# KiCad board Panel3-copy.kicad_pcb (continued)
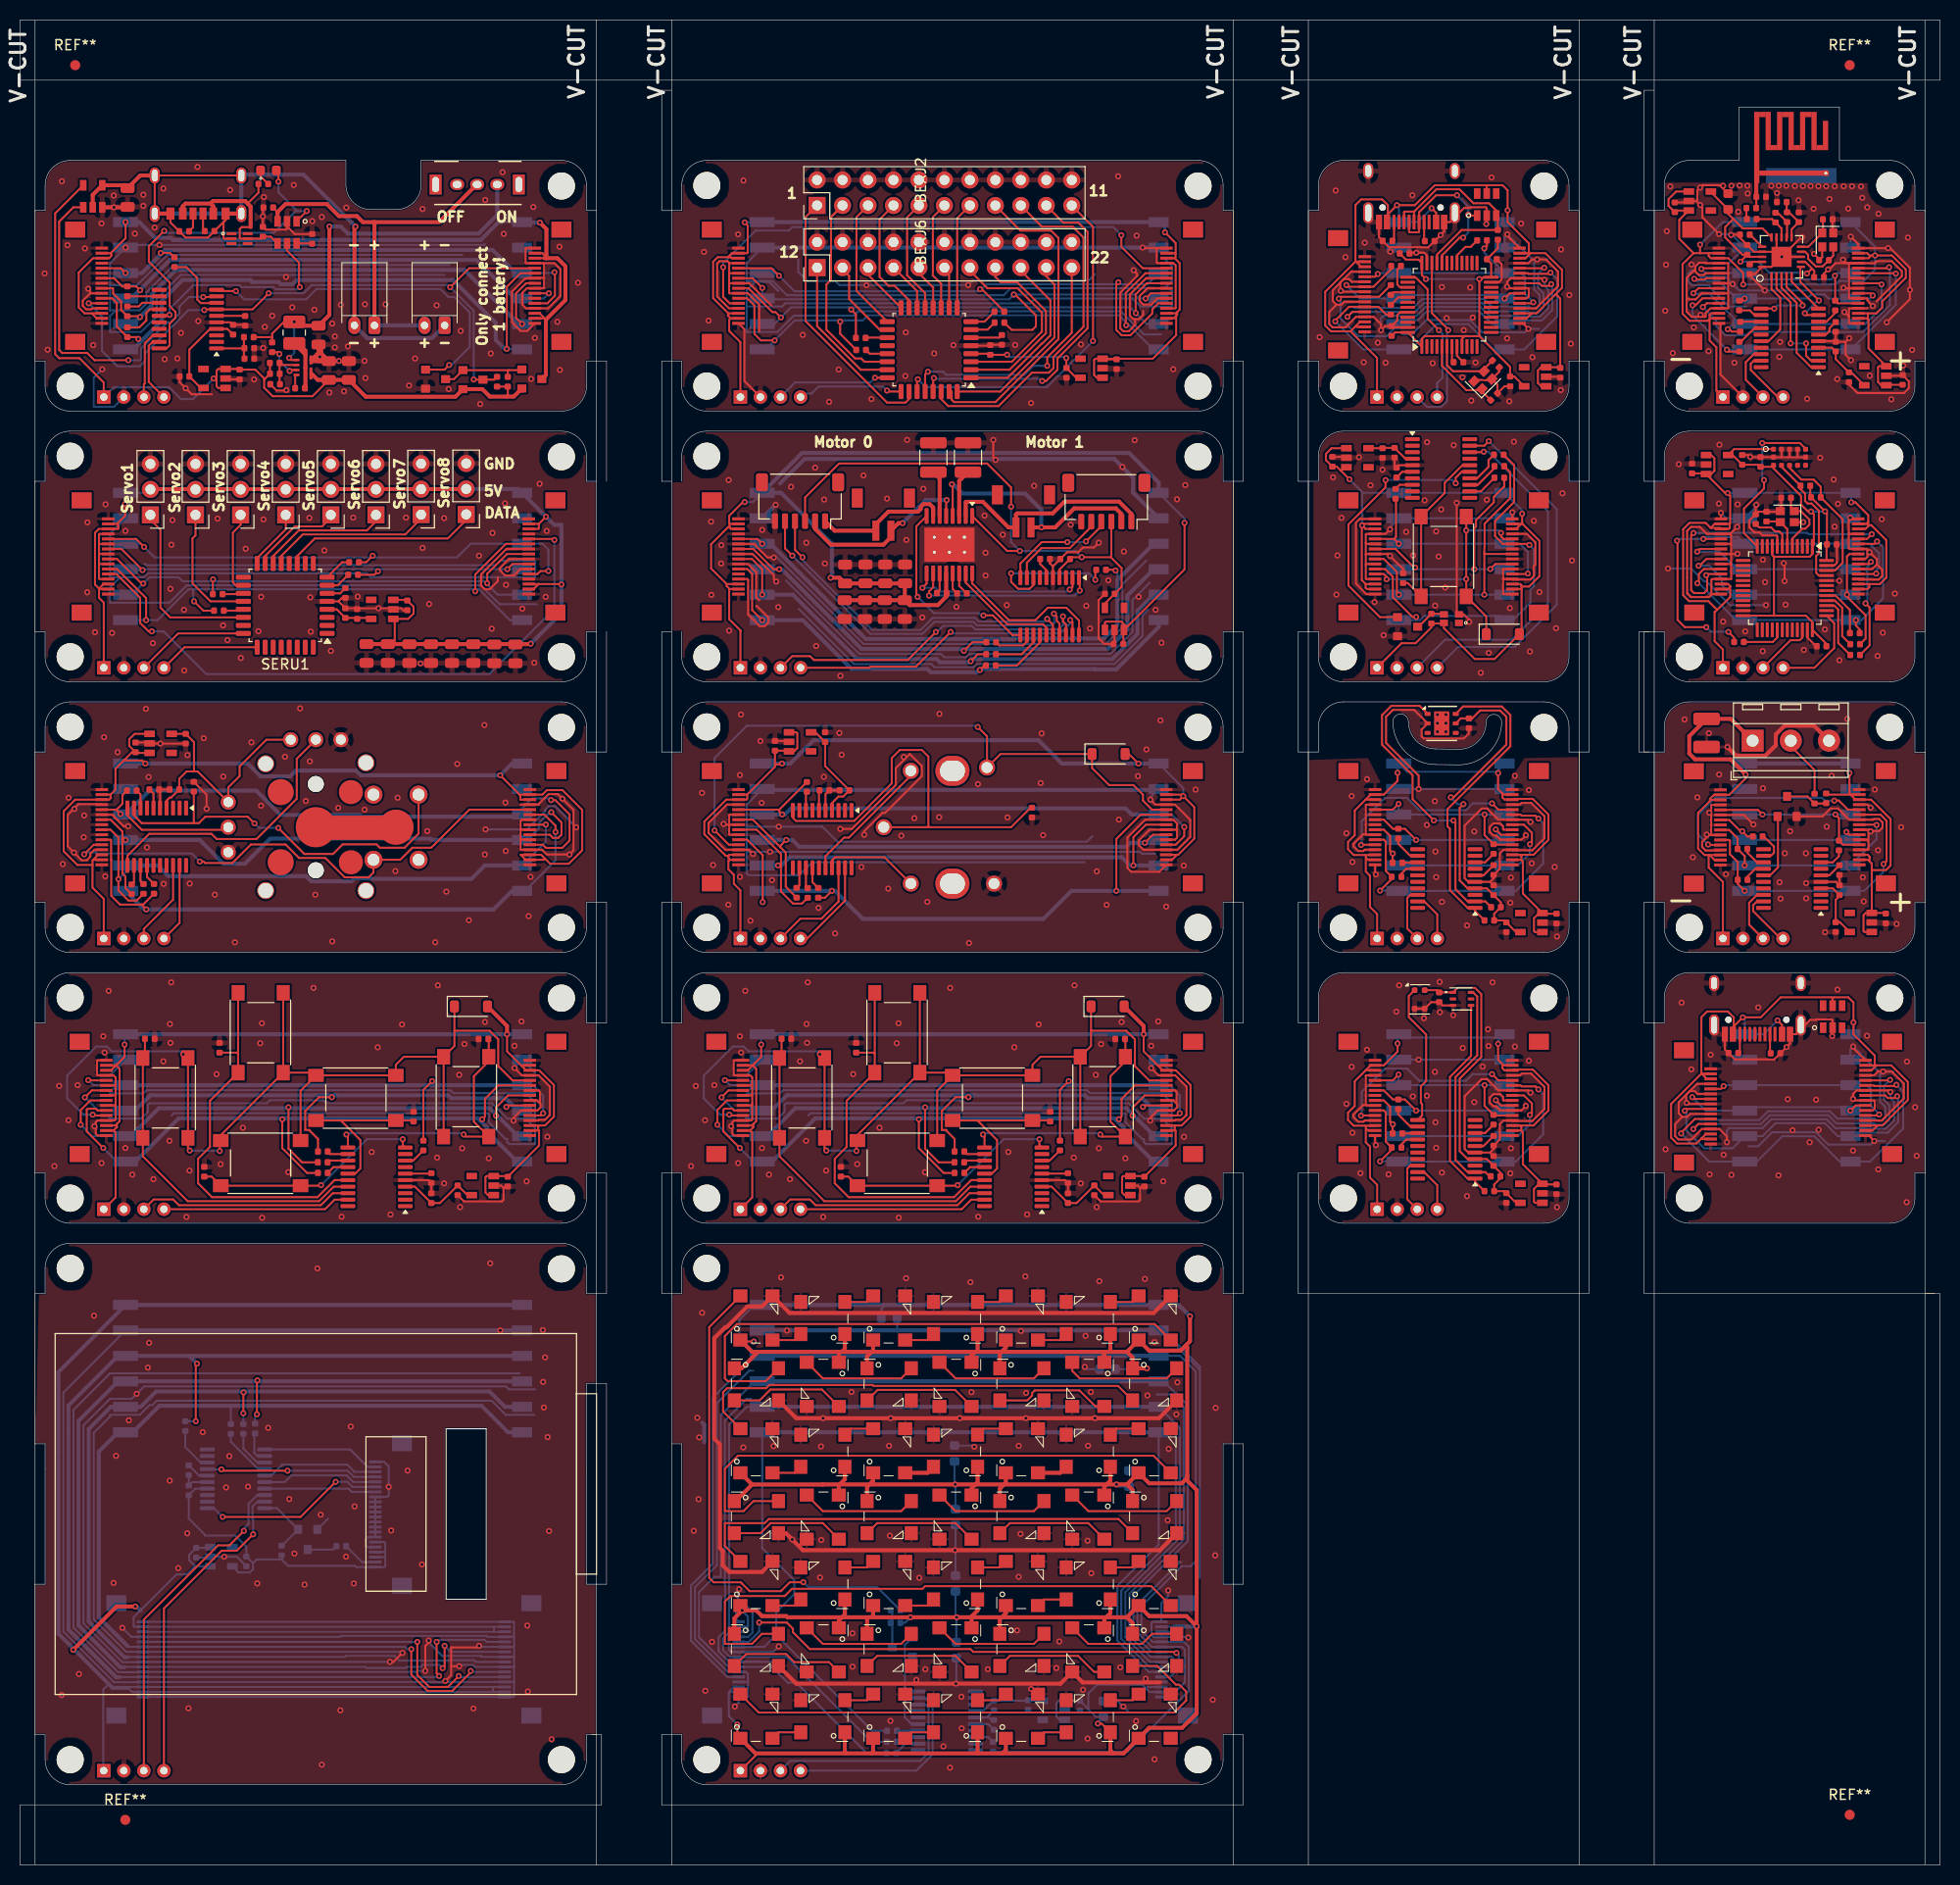
[diagram p0: board, top side]
## Routing (per net, layer and track width the routed paths; a pad name or vN(x,y) marks a point on that pad's centre or on a via; arc(x,y) is an arc through that point) (continued)
LIG_MOSI: length 31.6
  Top w0.2: v1(151.45,77.35) 151.15,77.65 149.77,77.65 149.67,77.75 LIGJ3.11 ; LIGJ5.11 136.03,75.25 136.22,75.06 136.22,72.14 LIGR2.2 136.81,71.34 v1(135.65,70.17)
  Bottom w0.2: v1(151.45,77.35) 151.93,76.88 151.93,72.88 149.2,70.15 LIGJ2.1 LIGJ1.6 137.5,70.17 v1(135.65,70.17)
LIG_Net-(U3-NRST): length 2.3
  Top w0.2: LIGU3.6 145.97,71.7 LIGC1.1
LIG_Net-(U3-PA1): length 2.2
  Top w0.2: LIGR1.1 146.13,73 LIGU3.8
LIG_Net-(U3-PA5): length 3
  Top w0.2: LIGR3.1 137.47,74.84 138.67,73.65 LIGU3.12
LIG_Net-(U3-PA6): length 1.5
  Top w0.2: LIGU3.13 139.35,72.95 LIGR4.1
LIG_Net-(U3-PA7): length 2.1
  Top w0.2: LIGU3.14 138.27,72.35 137.78,71.87 137.78,71.55
LIG_PS: length 19.4
  Top w0.2: v1(146.07,77.77) 146.07,75.71 LIGR1.2 147.03,74.75 LIGJ3.5 ; LIGJ5.5 136.93,78.25 v1(137.5,78.83)
  Bottom w0.2: LIGJ2.4 v1(146.07,77.77) LIGJ1.3 137.5,77.8 v1(137.5,78.83)
LIG_SCL: length 21.3
  Top w0.2: LIGU1.4 144.72,80.69 142.62,78.58 142.62,70.22 144.39,68.45 LIGU3.1 145.13,68.14 LIGR5.1
LIG_SCLK: length 18.8
  Top w0.2: v1(139.25,75.23) 138.13,76.34 LIGR3.2 136.94,76.34 136.03,77.25 LIGJ5.7 ; v1(147.2,76.28) 147.72,75.75 LIGJ3.7
  Bottom w0.2: v1(147.2,76.28) 147.2,76.11 LIGJ2.3 v1(139.25,75.23) LIGJ1.4
LIG_SDA: length 22.3
  Top w0.2: LIGU1.6 144.93,87.03 145.35,86.61 145.35,80.75 143.18,78.58 143.18,70.32 144.39,69.1 LIGU3.2 146.16,69.1 146.73,68.53
LIG_SWDCLK: length 4.9
  Top w0.2: LIGU3.19 140.06,69.1 141.36,67.8 LIGJ4.4
LIG_SWDIO: length 5.6
  Top w0.2: LIGJ4.3 138.37,66.39 138.37,69.45 138.67,69.75 LIGU3.18
LIG_VDD: length 32.9
  Top w0.2: LIGU4.4 141.32,87.25 LIGC3.1 141.56,87.03 LIGU1.1 143.38,87.47 145.13,87.47 145.75,86.86 145.75,80.58 143.6,78.42 143.6,71.19 144.39,70.4 LIGU3.4 146.31,70.4 LIGC2.1 147.7,69.01 147.7,68.53 147.03,67.86 LIGR5.2 148.06,67.2 LIGC9.1 149.22,66.03 LIGU2.5
MAT_5V: length 406.8
  Top w0.2: MATD48.1 107.88,14.1 v1(107.5,14.1) ; MATJ3.1 73.36,10.91 73.36,11.12 ; MATD43.1 71.55,12.93 v1(71.55,14) ; MATD1.1 72,52.2 v1(73.19,52.2)
  Top w0.4: 108.74,51.18 108.75,51.19 MATD6.1 ; 108.74,51.18 110.4,51.18 ; 108.74,51.18 107.9,51.18 ; 110.4,24.7 110.97,24.13 MATD42.1 ; 110.4,24.7 MATD35.1 112.62,24.82 116.34,24.82 v1(117.36,23.8) ; 110.4,24.7 108.35,24.7 ; 94.82,24.7 97.92,24.7 ; 94.82,24.7 94.91,24.61 MATD39.1 ; 94.82,24.7 v1(93.43,24.7) v1(88.81,24.7) 84.91,24.7 ; 94.82,24.7 95.51,25.39 MATD32.1 ; 97.92,24.7 98.33,25.11 MATD33.1 ; 97.92,24.7 108.35,24.7 ; 97.92,24.7 97.73,24.51 MATD40.1 ; 116.25,51.79 115.76,51.3 112.62,51.3 MATD7.1 110.4,51.18 ; 116.25,51.79 116.7,52.24 v1(116.7,54.72) ; 116.25,51.79 116.42,51.62 116.42,38.86 ; 82.41,11.12 82.27,11.26 MATD44.1 ; 82.41,11.12 73.36,11.12 MATD43.1 ; 82.41,11.12 84.94,11.12 ; 81.82,51.18 81.98,51.18 ; 81.82,51.18 81.67,51.03 MATD9.1 ; 81.82,51.18 73.61,51.18 ; 81.98,51.18 84.94,51.18 ; 81.98,51.18 82.27,51.47 MATD2.1 ; 110.41,37.95 MATD21.1 112.62,38.06 115.87,38.06 116.42,38.61 116.42,38.86 ; 110.41,37.95 v1(109.37,37.95) 108.38,37.95 ; 110.41,37.95 110.97,37.39 MATD28.1 ; 95.3,37.95 v1(93.28,37.95) 84.73,37.95 ; 95.3,37.95 98.15,37.95 ; 95.3,37.95 95.51,38.16 MATD18.1 ; 95.3,37.95 94.91,37.56 MATD25.1 ; MATD31.1 85.09,24.88 84.91,24.7 ; 108.35,24.7 108.15,24.5 MATD41.1 ; 108.35,24.7 108.75,25.1 MATD34.1 ; 108.38,37.95 108.15,37.72 MATD27.1 ; 108.38,37.95 108.75,38.32 MATD20.1 ; 108.38,37.95 98.15,37.95 ; MATD8.1 71.96,49.53 73.61,51.18 ; 84.91,24.7 84.63,24.7 ; MATD30.1 82.27,24.98 81.99,24.7 ; MATD19.1 98.33,38.13 98.15,37.95 ; 98.15,37.95 97.73,37.53 MATD26.1 ; 81.75,37.95 82.27,38.47 MATD16.1 ; 81.75,37.95 84.73,37.95 ; 81.75,37.95 81.67,37.87 MATD23.1 ; 81.75,37.95 80.09,37.95 80.08,37.94 73.02,37.94 ; 110.4,51.18 110.97,50.61 MATD14.1 112.39,49.53 v1(112.4,49.53) ; 73.02,37.94 MATD15.1 ; 73.02,37.94 71.37,36.29 MATD22.1 ; 95.41,51.18 97.89,51.18 ; 95.41,51.18 95.27,51.18 ; 95.41,51.18 95.51,51.28 MATD4.1 ; 97.89,51.18 107.9,51.18 ; 97.89,51.18 98.33,51.62 MATD5.1 ; 97.89,51.18 97.73,51.02 MATD12.1 ; MATD11.1 94.91,50.82 95.27,51.18 ; 84.94,51.18 85.09,51.33 MATD3.1 ; 84.94,51.18 84.49,50.73 MATD10.1 ; 84.94,51.18 95.27,51.18 ; 73.61,51.18 73.02,51.18 MATD1.1 ; 107.9,51.18 108.15,50.93 MATD13.1 ; v1(117.36,23.8) 117.36,15.12 115.92,13.68 112.62,13.68 MATD49.1 110.06,11.12 109.06,11.12 ; v1(117.36,23.8) 117.36,37.39 116.42,38.33 116.42,38.86 ; 84.94,11.12 85.09,11.28 MATD45.1 ; 84.94,11.12 95.54,11.12 ; MATD17.1 85.09,38.31 84.73,37.95 ; MATD48.1 108.75,11.44 109.06,11.12 ; MATD36.1 71.25,24.6 v1(72.04,25.39) 73.44,25.39 74,24.82 76.42,24.82 76.56,24.68 76.58,24.7 81.99,24.7 ; 95.54,11.12 95.51,11.16 MATD46.1 ; 95.54,11.12 97.97,11.12 ; MATD38.1 84.49,24.56 84.63,24.7 ; 84.63,24.7 81.99,24.7 ; 81.99,24.7 81.67,24.38 MATD37.1 ; 84.73,37.95 84.49,37.71 MATD24.1 ; 109.06,11.12 97.97,11.12 ; MATD47.1 98.33,11.49 97.97,11.12
  Bottom w0.2: 72.55,23.75 72.55,23.5 72.65,23.4 72.5,23.25 MATJ5.14 ; 72.55,23.75 72.6,23.8 72.6,24.78 72.3,25.07 ; 72.55,23.75 MATJ5.15 ; MATC12.1 112.33,49.45 v1(112.4,49.53) ; v1(71.55,14) 70.7,14.85 70.7,17.25 ; MATJ4.2 115.12,23.75 115.15,23.78 ; MATC13.1 93.39,24.66 v1(93.43,24.7) 93.31,24.82 MATC7.1 ; 112.33,17.6 112.67,17.25 MATJ4.15 ; 112.33,17.6 112.47,17.75 MATJ4.14 ; 112.33,17.6 111.95,17.97 107.43,17.97 106.56,17.1 106.56,15.53 ; v1(109.37,37.95) 109.57,37.75 MATC6.1 ; MATC11.1 93.21,38.02 v1(93.28,37.95) 93.31,37.92 MATC16.1 ; MATU1.3 103.69,14.47 103.37,14.8 103.37,16.12 103.62,16.38 MATU1.1 105.71,16.38 MATC1.1 106.56,15.53 ; MATJ4.3 114.83,23.25 115.35,23.78 ; 70.7,17.25 MATJ5.2 ; 70.7,17.25 71.2,17.75 MATJ5.3 ; 106.56,15.53 107.31,14.78 MATC15.1 107.5,14.22 v1(107.5,14.1) ; v1(72.04,25.39) 72.3,25.13 72.3,25.07 ; 72.3,25.07 72.03,25.35 ; v1(73.19,52.2) 72.37,52.2 71.75,52.82 71.75,54.31 71.72,54.34 73.23,55.85 MATJ1.1 ; 86.32,55.85 85.9,55.43 MATC8.1 ; MATR2.1 88.26,24.15 v1(88.81,24.7)
  Bottom w0.4: 115.15,23.78 117.34,23.78 v1(117.36,23.8) ; v1(116.7,54.72) 115.58,55.85 MATJ2.6 MATJ1.1
MAT_D0: length 50.5
  Top w0.2: MATD1.4 68.74,53.64 68.74,28.63 69.18,28.19 71.88,28.19 72.76,27.31 75.89,27.31 76.78,28.2 v1(78.12,28.2)
  Bottom w0.2: MATR4.2 85.5,27.7 78.62,27.7 v1(78.12,28.2)
MAT_GND: length 480.3
  Top w0.4: MATD22.3 76.39,33.09 v1(77.03,32.46) 78.09,31.39 v1(93.26,31.39) 113.67,31.39 MATD28.3 ; MATD7.3 113.07,55.05 76.75,55.05 MATD1.3 74,55.7 72.54,55.7 70.45,53.61 70.32,53.61 69.24,52.53 69.24,42.52 69.8,41.96 69.8,31.61 70.09,31.32 70.09,29.88 70.75,29.22 74,29.22 MATD29.3 ; MATD8.3 77.42,44.56 v1(80.1,44.56) v1(86.84,44.56) v1(93.74,44.56) v1(100.33,44.56) v1(107.22,44.56) 113.6,44.56 MATD14.3 ; MATD36.3 77.42,18.08 v1(93.35,18.08) 103.78,18.08 MATD41.3 106,18.2 113.72,18.2
  Bottom w0.2: 96.53,14.82 96.42,14.7 MATU2.5 ; 96.53,14.82 MATC2.2 ; 96.53,14.82 96.9,14.45 MATC4.2 ; MATJ4.13 112.6,18.25 v1(112.28,18.57) ; 117.67,49.38 115.48,51.57 ; 117.67,49.38 117.67,49.71 114.08,53.31 MATJ2.5 ; 117.67,49.38 117.67,28.62 ; 113.35,46.92 114.81,46.92 116.08,45.66 116.08,42.08 116.08,42.2 116.08,32.47 110.65,27.04 110.65,22.87 112.77,20.75 MATJ4.8 114.9,20.75 114.97,20.68 114.97,20.05 114.67,19.75 MATJ4.10 112.64,19.75 109.85,22.54 109.85,27.37 115.28,32.8 115.28,43.42 114.55,44.15 ; MATC16.2 93.31,31.44 v1(93.26,31.39) 93.31,31.34 MATC7.2 ; v1(71.72,27.5) 71.62,27.4 71.62,25.97 ; MATC12.2 106.42,49.45 v1(106.2,49.67) ; 69.67,21.31 69.67,21.59 ; 69.67,21.31 70.68,20.3 73.87,20.3 ; 69.67,21.31 69.67,22.72 70.33,23.37 70.33,28.03 70.3,28.05 70.3,44.31 72.47,46.49 72.9,46.49 ; 110.55,15.3 109.5,16.35 MATC15.2 ; MATC11.2 95.06,41.82 v1(95.18,41.71) ; MATJ4.16 114.72,16.75 116.17,18.21 116.17,21.47 115.9,21.75 MATJ4.6 112.9,21.75 111.45,23.2 111.45,25.97 115.68,30.2 115.83,30.2 ; MATC6.2 111.53,39.32 ; MATJ5.4 72.55,18.25 72.6,18.3 ; MATC13.2 93.39,18.12 v1(93.35,18.08) ; 72.6,18.3 72.6,16.8 72.55,16.75 MATJ5.1 71.67,16.18 v1(71.3,15.8) ; 72.6,18.3 72.6,19.05 72.4,19.25 MATJ5.6 70.6,19.25 67.32,22.53 67.32,27.69 69.5,29.88 69.5,46.06 72.75,49.3 73.12,49.3 ; 87.53,53.31 87.48,53.36 MATC8.2 ; MATJ5.8 75.85,20.25 ; v1(75.67,21.8) 75.12,21.25 MATJ5.10 70.9,21.25 70.7,21.45 70.7,22.6 70.85,22.75 MATJ5.13 72.62,22.75 73.05,23.18 73.05,25.22 72.29,25.99 71.64,25.99 71.62,25.97 ; v1(114.53,27.38) 114.53,26.8 113.84,26.12 MATJ4.1 112.97,24.25 112.86,24.14 112.86,22.93 113.04,22.75 MATJ4.4 116.53,22.75 116.65,22.62 ; 71.62,25.97 71.62,25.82 71.42,25.62 71.42,24.5 MATJ5.16
  Bottom w0.4: 68.05,44.1 68.24,43.91 68.24,42.15 ; MATJ1.2 MATJ2.5
  vias: v1(67.2,33.32) v1(67.55,44.6) v1(67.74,42.65) v1(67.67,36.47) v1(68.03,55.07) v1(68.35,17.37) v1(69.02,22.25) v1(72.14,41.64) v1(75.15,41.77) v1(75.9,58.6) v1(76.49,53.3) v1(79.79,28.67) v1(79.89,41.74) v1(79.92,32.41) v1(82.92,47.17) v1(83.03,23.1) v1(83.03,19.77) v1(86.68,41.8) v1(86.76,32.84) v1(86.82,14.37) v1(88.38,58.53) v1(89.4,18.45) v1(89.69,28.64) v1(90.3,19.52) v1(92.1,11.82) v1(92.76,9.7) v1(93.9,16.78) v1(93.92,13.62) v1(94.8,58.12) v1(94.9,47.15) v1(96.53,19.52) v1(99.44,23.39) v1(99.61,41.8) v1(99.61,28.74) v1(99.83,53.26) v1(99.79,33.02) v1(100.28,58.7) v1(100.35,47.08) v1(100.85,17.55) v1(103.37,19.64) v1(103.66,22.29) v1(106.03,17.47) v1(106.28,52.78) v1(106.53,41.81) v1(106.48,32.34) v1(106.48,12.6) v1(106.8,47.17) v1(106.85,29.1) v1(107.65,58.22) v1(109.75,19.71) v1(110.05,15.8) v1(111.32,14.35) v1(112.2,58.45) v1(112.45,46.83) v1(113.15,52.15) v1(113.16,10.54) v1(114.47,34.38) v1(114.57,41.49) v1(115.34,44.95) v1(115.44,48.13) v1(116.53,22.68) v1(118.97,16.47) v1(119.21,30.88) v1(119.26,45.58)
MAT_Interrupt5V: length 50.2
  Top w0.2: v1(73.72,24.18) 76.47,24.18 77.09,23.56 77.09,23.21 78.77,21.53 94.8,21.53 95.08,21.25 115.25,21.25 v1(115.35,21.15)
  Bottom w0.2: v1(73.72,24.18) 73.72,23.28 72.69,22.25 MATJ5.12 ; MATJ4.12 114.72,18.75 115.58,19.6 115.58,20.93 v1(115.35,21.15)
MAT_LED_DATA: length 9.9
  Bottom w0.2: 89,22.68 88.25,21.93 88.25,14.72 88.92,14.05 MATU2.15
MAT_MISO: length 117.2
  Bottom w0.2: MATJ1.5 72.49,45.69 70.72,43.92 70.72,23.2 70.12,22.6 70.12,21.43 70.8,20.75 MATJ5.9 76.45,20.75 84.92,12.28 MATR5.2 ; MATJ2.2 115.67,43.59 115.67,32.63 110.25,27.21 110.25,22.71 112.71,20.25 MATJ4.9
  Bottom w0.4: MATJ2.2 MATJ1.5
MAT_MOSI: length 109.3
  Bottom w0.2: 75.42,22.95 74.22,21.75 MATJ5.11 ; 75.42,22.95 85,13.38 MATR6.2 ; 75.42,22.95 75.42,25.2 77.22,27 77.22,28.4 74.03,31.6 MATJ1.6 ; MATJ2.1 113.58,31.95 109.45,27.82 109.45,22.38 112.58,19.25 MATJ4.11
  Bottom w0.4: MATJ1.6 MATJ2.1
MAT_Net-(D1-DOUT): length 3.1
  Top w0.2: MATD1.2 77.27,52.35 MATD2.4
MAT_Net-(D2-DOUT): length 3.1
  Top w0.2: MATD3.4 84.49,56.15 MATD2.2
MAT_Net-(D3-DOUT): length 3.1
  Top w0.2: MATD4.4 90.51,52.35 MATD3.2
MAT_Net-(D4-DOUT): length 3.1
  Top w0.2: MATD5.4 97.73,56.15 MATD4.2
MAT_Net-(D5-DOUT): length 3.1
  Top w0.2: MATD5.2 103.75,52.35 MATD6.4
MAT_Net-(D6-DOUT): length 3.1
  Top w0.2: MATD7.4 110.97,56.15 MATD6.2
MAT_Net-(D7-DOUT): length 55.8
  Top w0.2: MATD7.2 113.17,53.95 71.5,53.95 70.3,52.75 70.3,48.53 70.58,48.25 74.37,48.25 MATD8.4
MAT_Net-(D8-DOUT): length 11.6
  Top w0.2: MATD8.2 73.77,46.33 74.86,47.42 79.98,47.42 MATD9.4
MAT_Net-(D10-DIN): length 11.5
  Top w0.2: MATD9.2 80.07,48.53 87.89,48.53 MATD10.4
MAT_Net-(D10-DOUT): length 11.5
  Top w0.2: MATD11.4 93.27,47.38 85.53,47.38 MATD10.2
MAT_Net-(D11-DOUT): length 11.5
  Top w0.2: MATD12.4 101.13,48.53 93.31,48.53 MATD11.2
MAT_Net-(D12-DOUT): length 11.6
  Top w0.2: MATD12.2 100.46,46.33 100.95,46.82 100.95,47.07 101.21,47.33 105.67,47.33 107.27,45.73 MATD13.4
MAT_Net-(D13-DOUT): length 12
  Top w0.2: MATD13.2 104.95,49.28 105.7,48.53 114.37,48.53 MATD14.4
MAT_Net-(D14-DOUT): length 46.1
  Top w0.2: MATD15.4 70.12,45.24 70.12,47.15 70.52,47.55 74.42,47.55 74.74,47.87 85.04,47.87 85.14,47.78 109.53,47.78 MATD14.2
MAT_Net-(D15-DOUT): length 3.1
  Top w0.2: MATD16.4 77.27,39.11 MATD15.2
MAT_Net-(D16-DOUT): length 3.1
  Top w0.2: MATD17.4 82.87,43.51 MATD16.2
MAT_Net-(D17-DOUT): length 3.1
  Top w0.4: MATD18.4 90.51,39.11 MATD17.2
MAT_Net-(D18-DOUT): length 3.1
  Top w0.2: MATD19.4 96.11,43.51 MATD18.2
MAT_Net-(D19-DOUT): length 3.1
  Top w0.4: MATD19.2 103.75,39.11 MATD20.4
MAT_Net-(D20-DOUT): length 3.1
  Top w0.2: MATD21.4 109.35,43.51 MATD20.2
MAT_Net-(D21-DOUT): length 55.7
  Top w0.2: MATD21.2 113.06,40.82 71.61,40.82 70.3,39.51 70.3,35.29 72.16,35.29 73.16,36.29 MATD22.4
MAT_Net-(D22-DOUT): length 11.5
  Top w0.2: MATD22.2 73.86,33.09 74.86,34.09 80.07,34.09 MATD23.4
MAT_Net-(D23-DOUT): length 11.5
  Top w0.2: MATD24.4 87.89,35.29 80.07,35.29 MATD23.2
MAT_Net-(D24-DOUT): length 11.5
  Top w0.2: MATD25.4 93.31,34.09 85.49,34.09 MATD24.2
MAT_Net-(D25-DOUT): length 11.5
  Top w0.2: MATD26.4 101.13,35.29 93.31,35.29 MATD25.2
MAT_Net-(D26-DOUT): length 11.5
  Top w0.2: MATD27.4 106.55,34.09 98.73,34.09 MATD26.2
MAT_Net-(D27-DOUT): length 11.5
  Top w0.2: MATD28.4 114.37,35.29 106.55,35.29 MATD27.2
MAT_Net-(D28-DOUT): length 45.9
  Top w0.2: MATD29.4 70.3,31.82 70.3,34.09 74.27,34.09 74.68,34.5 109.56,34.5 MATD28.2
MAT_Net-(D29-DOUT): length 3.1
  Top w0.2: MATD29.2 77.27,25.87 MATD30.4
MAT_Net-(D30-DOUT): length 3.1
  Top w0.2: MATD31.4 84.49,29.67 MATD30.2
MAT_Net-(D31-DOUT): length 3.1
  Top w0.2: MATD31.2 90.51,25.87 MATD32.4
MAT_Net-(D32-DOUT): length 3.1
  Top w0.2: MATD33.4 97.73,29.67 MATD32.2
MAT_Net-(D33-DOUT): length 3.1
  Top w0.2: MATD33.2 102.13,26.47 MATD34.4
MAT_Net-(D34-DOUT): length 3.1
  Top w0.2: MATD34.2 110.97,29.67 MATD35.4
MAT_Net-(D35-DOUT): length 55.9
  Top w0.2: MATD36.4 74,23.05 73,22.05 70.3,22.05 70.3,26.27 70.85,26.82 76.27,26.82 76.99,27.54 90.01,27.54 90.28,27.81 112.83,27.81 MATD35.2
MAT_Net-(D36-DOUT): length 11.6
  Top w0.2: MATD37.4 80.69,20.23 77.22,20.23 76.42,21.03 72.43,21.03 MATD36.2
MAT_Net-(D37-DOUT): length 11.5
  Top w0.2: MATD38.4 87.89,22.05 80.07,22.05 MATD37.2
MAT_Net-(D38-DOUT): length 11.5
  Top w0.2: MATD38.2 85.49,20.85 93.31,20.85 MATD39.4
MAT_Net-(D39-DOUT): length 11.5
  Top w0.2: MATD40.4 101.13,22.05 93.31,22.05 MATD39.2
MAT_Net-(D40-DOUT): length 11.5
  Top w0.2: MATD41.4 107.13,19.25 105.53,20.85 98.73,20.85 MATD40.2
MAT_Net-(D41-DOUT): length 11.5
  Top w0.2: MATD42.4 112.92,23.05 111.92,22.05 106.55,22.05 MATD41.2
MAT_Net-(D42-DOUT): length 53
  Top w0.2: MATD43.4 73.68,15.2 115.12,15.2 116.32,16.4 116.32,17.29 115.63,17.98 115.29,17.98 113.42,19.85 MATD42.2
MAT_Net-(D43-DOUT): length 3.1
  Top w0.2: MATD43.2 75.65,13.23 MATD44.4
MAT_Net-(D44-DOUT): length 3.1
  Top w0.2: MATD45.4 84.49,16.43 MATD44.2
MAT_Net-(D45-DOUT): length 3.1
  Top w0.2: MATD46.4 88.89,13.23 MATD45.2
MAT_Net-(D46-DOUT): length 3.1
  Top w0.2: MATD46.2 97.73,16.43 MATD47.4
MAT_Net-(D47-DOUT): length 3.1
  Top w0.2: MATD48.4 102.13,13.23 MATD47.2
MAT_Net-(D48-DOUT): length 3.1
  Top w0.2: MATD48.2 110.97,16.43 MATD49.4
MAT_Net-(Q1-D): length 3.7
  Bottom w0.2: MATQ1.3 87,25.23 MATR4.1
MAT_Net-(U2-NRST): length 2.1
  Bottom w0.2: MATC4.1 97.14,13.49 96.58,14.05 MATU2.6
MAT_Net-(U2-PA1): length 2
  Bottom w0.2: 97.06,12.26 96.58,12.75 MATU2.8
MAT_Net-(U2-PA5): length 2.6
  Bottom w0.2: MATR3.1 88.33,12.1 MATU2.12
MAT_Net-(U2-PA6): length 2.3
  Bottom w0.2: MATR5.1 87.89,12.75 MATU2.13
MAT_Net-(U2-PA7): length 2.1
  Bottom w0.2: MATU2.14 89.56,13.38 MATR6.1
MAT_PS: length 142.4
  Bottom w0.2: MATJ5.5 70.54,18.75 66.92,22.37 66.92,27.86 69.1,30.04 69.1,46.59 73.28,50.77 MATJ1.3 ; MATR1.2 110.5,11.29 116.58,17.38 116.58,21.78 116.1,22.25 MATJ4.5 112.97,22.25 111.85,23.37 111.85,25.8 115.85,29.8 116.78,29.8 117.28,30.3 117.28,49.21 115.71,50.77 MATJ2.4
  Bottom w0.4: MATJ2.4 MATJ1.3
MAT_SCLK: length 124.6
  Bottom w0.2: MATJ2.3 114.08,48.23 116.28,46.03 116.47,46.03 116.47,32.3 111.05,26.88 111.05,23.04 112.84,21.25 MATJ4.7 ; MATJ1.4 73.28,48.23 69.9,44.86 69.9,28.72 69.25,28.72 67.72,27.2 67.72,22.7 70.67,19.75 MATJ5.7 75,19.75 76.58,18.18 77.42,18.18 84.44,11.16 MATR3.2
  Bottom w0.4: MATJ1.4 MATJ2.3
MAT_SWDCLK: length 20.5
  Bottom w0.2: MATU2.19 90.31,16.65 91.03,15.94 91.03,11.03 89.4,9.4 MATJ3.4
MAT_SWDIO: length 21.2
  Bottom w0.2: MATJ3.3 76.83,10.38 89.81,10.38 90.62,11.19 90.62,15.69 90.31,16 MATU2.18
MAT_VDD: length 7.1
  Bottom w0.2: MATU2.4 96.04,15.35 97.08,16.39 MATC2.1 101.98,16.39 MATU1.5
MOT_5V: length 125.8
  Top w0.2: MOTJ4.1 71.85,123.03 71.9,123.08 70.73,124.25 70.73,127.2 70.78,127.25 ; 70.78,127.25 70.48,127.55 70.48,127.75 ; 70.78,127.25 MOTJ1.15 ; 70.78,133.75 70.73,133.8 70.73,134.56 72.1,135.93 v1(72.28,135.93) ; 70.78,133.75 70.78,133.48 70.72,133.43 ; 70.78,133.75 MOTJ1.2 ; 70.72,133.43 70.9,133.25 MOTJ1.3 ; 70.72,133.43 70.62,133.43 68.92,131.72 68.92,129.3 70.48,127.75 ; MOTU2.3 110.05,123.11 MOTC8.1 ; MOTU2.3 110.11,123.74 109.84,124 108.31,124 108.21,123.91 MOTU2.1 ; MOTU2.3 116.15,129.22 v1(116.15,133.85) ; 70.48,127.75 MOTJ1.14
  Top w0.4: MOTC4.1 MOTC12.1 ; MOTC12.1 88.74,125.65 91.54,125.65 92.42,126.53 MOTC5.1 92.38,126.9 MOTU1.12 ; MOTC12.1 88.25,127.8 MOTC13.1 88.26,127.81 MOTC16.1 81.74,128.38 v1(80.85,128.38)
  Bottom w0.2: v1(116.15,133.85) 116.15,134.28 MOTJ7.6 ; v1(72.28,135.93) 73.1,135.93 MOTJ5.1
  Bottom w0.4: v1(80.85,128.38) 80.97,128.5 80.97,131.78 75.91,136.85 MOTJ5.1 78,140.82 110.62,140.82 113.58,137.88 MOTJ7.6
MOT_ENC1_A: length 11.5
  Top w0.2: MOTU3.10 99.78,129.8 101.91,131.94 v1(104.46,131.94) ; MOTJ6.4 107.85,133.53 v1(106.33,132)
  Bottom w0.2: v1(104.46,131.94) 106.26,131.94 v1(106.33,132)
MOT_ENC1_B: length 34.1
  Top w0.2: v1(78.04,130.42) 77.3,131.16 MOTJ2.4 ; v1(102.45,124.28) 103.03,123.7 MOTU3.16
  Bottom w0.2: v1(78.04,130.42) 78.04,130.13 85,123.17 89.83,123.17 91.03,124.38 95.25,124.38 95.6,124.03 102.2,124.03 v1(102.45,124.28)
MOT_ENC2_A: length 9.9
  Top w0.2: MOTJ6.5 106.85,133.47 104.71,131.34 101.88,131.34 100.42,129.88 MOTU3.9
MOT_ENC2_B: length 37.1
  Top w0.2: v1(103.12,124.79) 103.4,124.51 103.4,124.09 103.67,123.81 MOTU3.17 ; v1(77.03,130.58) 76.3,131.31 MOTJ2.5
  Bottom w0.2: v1(77.03,130.58) 84.84,122.78 90,122.78 91.2,123.97 95.08,123.97 95.43,123.62 102.88,123.62 103.15,123.9 103.15,124.76 v1(103.12,124.79)
MOT_GND: length 219.3
  Top w0.2: v1(97.3,140.12) 97.08,140.35 v1(97.08,142.12) ; v1(75.17,130.4) 74.55,130.4 73.2,131.75 MOTJ1.6 ; MOTU2.2 109.16,121.86 MOTC8.2 108.16,121.78 107.58,122.34 107.58,126.15 MOTC9.2 ; MOTJ1.13 72.53,128.25 72.62,128.16 72.62,124.7 73.78,123.55 74.27,123.55 74.62,123.9 74.62,124.42 73.5,125.55 73.42,125.55 ; v1(107.6,131.88) 107.12,131.4 106.03,131.4 105.56,130.94 104.45,130.94 MOTC2.2 103.03,129.51 ; MOTJ1.10 72.6,129.75 73.42,128.92 73.42,126.44 73.73,126.13 ; MOTJ1.8 73.07,130.75 75.19,128.63 75.19,128.24 v1(75.42,128) ; MOTU1.13 93.03,127.27 MOTC6.1 ; MOTC1.2 102.72,129.82 103.03,129.51 ; 103.03,129.51 MOTU3.5
  Bottom w0.2: 112.34,130.1 109.95,127.7 109.95,123.43 108.29,121.78 84.14,121.78 75.31,130.6 ; 76.4,128.1 83.72,120.78 91.85,120.78 92.17,120.45 94.35,120.45 94.67,120.78 108.75,120.78 110.96,122.98 110.96,126.17 111.56,126.77 ; 112.5,125.17 111.96,124.63 111.96,122.57 109.17,119.78 95.42,119.78 95.1,119.45 91.22,119.45 90.9,119.78 83.17,119.78 77.67,125.28 ; 111.56,126.77 111.58,126.75 v1(111.58,126.47) ; 111.56,126.77 112.66,127.88
  Bottom w0.4: 75.81,137.79 78.25,140.22 109.15,140.22 v1(109.95,139.43) 111.03,138.35 111.03,136.86 MOTJ7.5 ; MOTJ5.2 v1(75.37,135.66)
  vias: v1(68.92,133.97) v1(68.95,126.67) v1(69.92,129.8) v1(69.95,131.62) v1(70.67,138.12) v1(70.72,123.1) v1(74.03,133.15) v1(75.62,125.45) v1(76.9,137.45) v1(78.42,131.88) v1(79.3,139.35) v1(79.4,121.58) v1(80.2,136.18) v1(80.28,129.8) v1(81.83,118.6) v1(84.12,138.57) v1(86.47,136.28) v1(88.4,132.15) v1(88.47,142.12) v1(90,124.42) v1(90.1,137.25) v1(93.4,125.47) v1(96.2,134.57) v1(96.3,130.88) v1(96.3,128.6) v1(98.03,132.68) v1(98.42,125.65) v1(101.15,137.55) v1(104.8,133.68) v1(106.35,125.58) v1(106.72,123.33) v1(108.55,128.12) v1(110.1,131) v1(111.17,142.1) v1(113.28,125.17) v1(113.85,121.9) v1(115.4,136.2) v1(116.22,137.62)
MOT_IN1_A: length 15.7
  Top w0.2: MOTU3.20 105.62,124.12 104.36,125.39 102.51,125.39 101.28,124.15 98.63,124.15 94.97,127.81 MOTU1.16
MOT_IN1_B: length 17.9
  Top w0.2: v1(90,127.38) 90.42,127.8 MOTU1.9 ; v1(104.7,127.2) 104.97,127.47 MOTU3.2
  Bottom w0.2: v1(90,127.38) 91.3,127.38 91.67,127 104.5,127 v1(104.7,127.2)
MOT_IN2_A: length 11.6
  Top w0.2: MOTU3.15 102.38,123.4 102.02,123.75 98.47,123.75 94.33,127.89 MOTU1.15
MOT_IN2_B: length 18.9
  Top w0.2: MOTU1.10 91.08,127.43 90.66,127.02 v1(90.66,126.6) ; v1(105.7,127.1) 105.7,128.31 MOTU3.1
  Bottom w0.2: v1(90.66,126.6) 105.2,126.6 v1(105.7,127.1)
MOT_MISO: length 53.3
  Top w0.2: MOTR4.2 95.53,120.75 v1(94.83,120.05) ; MOTJ1.9 73,130.25 74.03,129.22 v1(74.03,126.69)
  Bottom w0.2: v1(94.83,120.05) 94.83,119.85
  Bottom w0.4: v1(74.03,126.69) 77.08,126.69 83.5,120.28 91.42,120.28 91.75,119.95 94.58,119.95 94.9,120.28 108.96,120.28 111.46,122.77 111.46,125.07 113.08,126.69
MOT_MOSI: length 51.7
  Top w0.2: MOTR2.2 96.17,119.62 v1(95.72,119.17) ; v1(74.03,124.15) 73.03,125.15 73.03,128.75 72.53,129.25 MOTJ1.11
  Bottom w0.4: MOTJ7.1 113.58,123.47 109.35,119.25 107.2,119.25 107.17,119.28 95.72,119.28 95.4,118.95 90.85,118.95 90.53,119.28 82.95,119.28 78.08,124.15 v1(74.03,124.15)
MOT_MTR1_A: length 22.1
  Top w0.4: MOTU1.2 94.33,135.9 94.38,135.95 96.04,135.95 98.59,133.4 MOTJ8.2 99.34,134.69 99.45,134.8 103,134.8 104.17,135.97 109.62,135.97 110.85,134.75 MOTJ6.1
MOT_MTR1_B: length 13.8
  Top w0.4: MOTU1.7 91.08,135.38 90.73,135.72 90.12,135.72 89.83,135.43 89.83,135.22 89.58,134.97 86.61,134.97 85.36,133.72 85.36,133.07 81.25,133.07 MOTJ2.1
MOT_MTR2_A: length 25.7
  Top w0.2: v1(92.95,137.7) 93.03,137.62 MOTU1.4
  Top w0.4: MOTJ6.2 109.85,134.75 109.3,135.3 105.15,135.3 103.25,133.4 v1(101.88,133.4) MOTJ8.1
  Bottom w0.4: v1(92.95,137.7) 93.08,137.7 94,136.78 100.25,136.78 101.88,135.15 v1(101.88,133.4)
MOT_MTR2_B: length 18.4
  Top w0.2: MOTU1.5 92.38,136.07 v1(92.42,136.12)
  Top w0.4: v1(88.03,133.82) 87.61,133.82 86.86,133.07 86.86,132.43 86.11,131.68 80.88,131.68 79.3,133.25 MOTJ2.2
  Bottom w0.4: v1(88.03,133.82) 90.33,136.12 v1(92.42,136.12)
MOT_Net-(U1-AISEN): length 4.7
  Top w0.4: MOTU1.3 93.67,138.04 MOTR5.2
MOT_Net-(U1-BISEN): length 4.6
  Top w0.4: 91.72,134.54 91.72,138.29 MOTR6.2
MOT_Net-(U1-VCP): length 2.1
  Top w0.2: MOTC5.2 91.72,127.12 91.72,128.81
MOT_Net-(U1-VINT): length 2.3
  Top w0.2: MOTU1.14 93.67,127.57 94.42,126.83 MOTC6.2
MOT_Net-(U3-NRST): length 2.1
  Top w0.2: MOTU3.6 102.38,129.12 101.75,129.75 MOTC1.1
MOT_Net-(U3-PA1): length 14
  Top w0.2: v1(107.25,128.18) 107.25,129.09 MOTR1.1 ; v1(98.85,128.82) 98.85,127.97 99.55,127.28 100.7,127.28 101.08,127.65 MOTU3.8
  Bottom w0.2: v1(98.85,128.82) 106.6,128.82 v1(107.25,128.18)
MOT_Net-(U3-PA5): length 4
  Top w0.2: MOTU3.12 100.42,122.01 100.04,121.62 97.68,121.62 MOTR3.1
MOT_Net-(U3-PA6): length 5
  Top w0.2: MOTU3.13 101.08,121.93 99.9,120.75 MOTR4.1
MOT_Net-(U3-PA7): length 6.1
  Top w0.2: 101.72,122.66 101.72,121.93 99.42,119.62 MOTR2.1
MOT_NFAULT: length 20.4
  Top w0.2: MOTU3.11 98.99,122.66 97.03,124.62 v1(96.1,124.62) ; v1(89.53,126.47) 89.4,126.6 89.4,133.51 MOTU1.8
  Bottom w0.2: v1(96.1,124.62) 95.85,124.62 95.62,124.85 91.15,124.85 v1(89.53,126.47)
MOT_PS: length 54.1
  Top w0.2: MOTJ1.5 73.55,132.25 v1(74.03,131.77) ; v1(109.28,129.1) 109.2,129.18 MOTR1.2
  Bottom w0.2: 109.45,128.15 109.45,128.93 v1(109.28,129.1)
  Bottom w0.4: v1(74.03,131.77) 74.85,131.77 84.35,122.28 98.95,122.28 99,122.33 108.12,122.33 109.45,123.65 109.45,128.15 113.08,131.77
MOT_SCLK: length 55.1
  Top w0.2: MOTR3.2 95,121.95 v1(94.14,121.08) ; v1(75.72,129.23) 75.15,129.23 73.13,131.25 MOTJ1.7
  Bottom w0.4: 113.08,129.23 110.45,126.6 110.45,123.2 110.42,123.2 108.5,121.28 83.93,121.28 75.98,129.23 v1(75.72,129.23) MOTJ5.4
MOT_SWDCLK: length 30.8
  Top w0.2: v1(92.83,122.97) 89.36,119.51 84.84,119.51 84.72,119.4 MOTJ4.4 ; MOTU3.19 104.97,123.92 v1(104.75,124.15)
  Bottom w0.2: v1(104.75,124.15) 104.75,123.83 103.75,122.83 92.97,122.83 v1(92.83,122.97)
MOT_SWDIO: length 33.4
  Top w0.2: v1(104.03,124.53) 104.03,124.03 104.33,123.73 MOTU3.18 ; MOTJ4.3 77.01,120.56 78.8,120.56 79.19,120.17 88.55,120.17 v1(91.35,122.97)
  Bottom w0.2: v1(91.35,122.97) 91.47,122.97 92.08,123.58 94.92,123.58 95.27,123.22 103.58,123.22 104.03,123.67 v1(104.03,124.53)
MOT_VDD: length 60.8
  Top w0.2: 108.8,130.43 109.88,129.35 109.88,127.47 MOTC9.1 108.21,125.81 MOTU2.5 ; 108.8,130.43 v1(105.9,130.43) 104.91,130.43 MOTC2.1 103.67,129.19 MOTU3.4 ; 108.8,130.43 108.85,130.48 MOTJ6.3 ; MOTU1.1 98.46,131.05 v1(99.72,131.05) ; v1(98.85,135.47) 98.85,137.39 96.46,139.78 81.69,139.78 78.3,136.38 MOTJ2.3
  Bottom w0.2: v1(105.9,130.43) 105.28,131.05 v1(99.72,131.05) 98.85,131.93 v1(98.85,135.47)
POW_5V: length 71.8
  Top w0.2: 180.79,86.43 POWIC1.5 ; 180.79,86.43 180.89,86.53 182.37,86.53 182.88,86.02 v1(182.88,84.03) 182.88,82.85 185,80.73 185,79.8 184.94,79.75 ; 180.79,86.43 180.69,86.53 175.61,86.53 173.62,84.54 v1(171.84,84.54) 170.84,83.55 POWJ2.A9 170.93,82.94 170.93,84.55 170.35,85.12 168.27,85.12 167.7,84.55 167.7,78.95 ; v1(175.29,84.23) 175.75,83.78 POWJ2.A4 ; 167.7,78.95 167.75,78.9 167.85,78.9 ; 167.7,78.95 168.25,78.4 POWJ5.3 ; 167.74,72.49 168.15,72.9 POWJ5.14 ; 167.74,72.49 167.2,71.95 165.26,71.95 164.68,72.53 164.68,75.9 167.68,78.9 167.85,78.9 ; 167.74,72.49 167.82,72.4 POWJ5.15 ; 184.94,79.75 POWJ6.15 ; 184.94,79.75 185.18,79.75 ; 185.28,73.75 184.78,73.25 POWJ6.2 ; 185.28,73.75 POWJ6.3 ; 185.28,73.75 185.76,73.75 188.3,76.29 188.3,78.09 186.64,79.75 185.18,79.75 ; 167.85,78.9 POWJ5.2 ; 185.18,79.75 184.68,79.25 POWJ6.14
  Bottom w0.2: v1(182.88,84.03) 182.88,83.15 POWJ3.6 ; v1(175.29,84.23) 173.91,82.85 POWJ1.1 172.03,84.35 v1(171.84,84.54)